# EAGLE board Mk4 Final a Panel score (EAGLE 9.0.1), part 10 of 24 (continued)
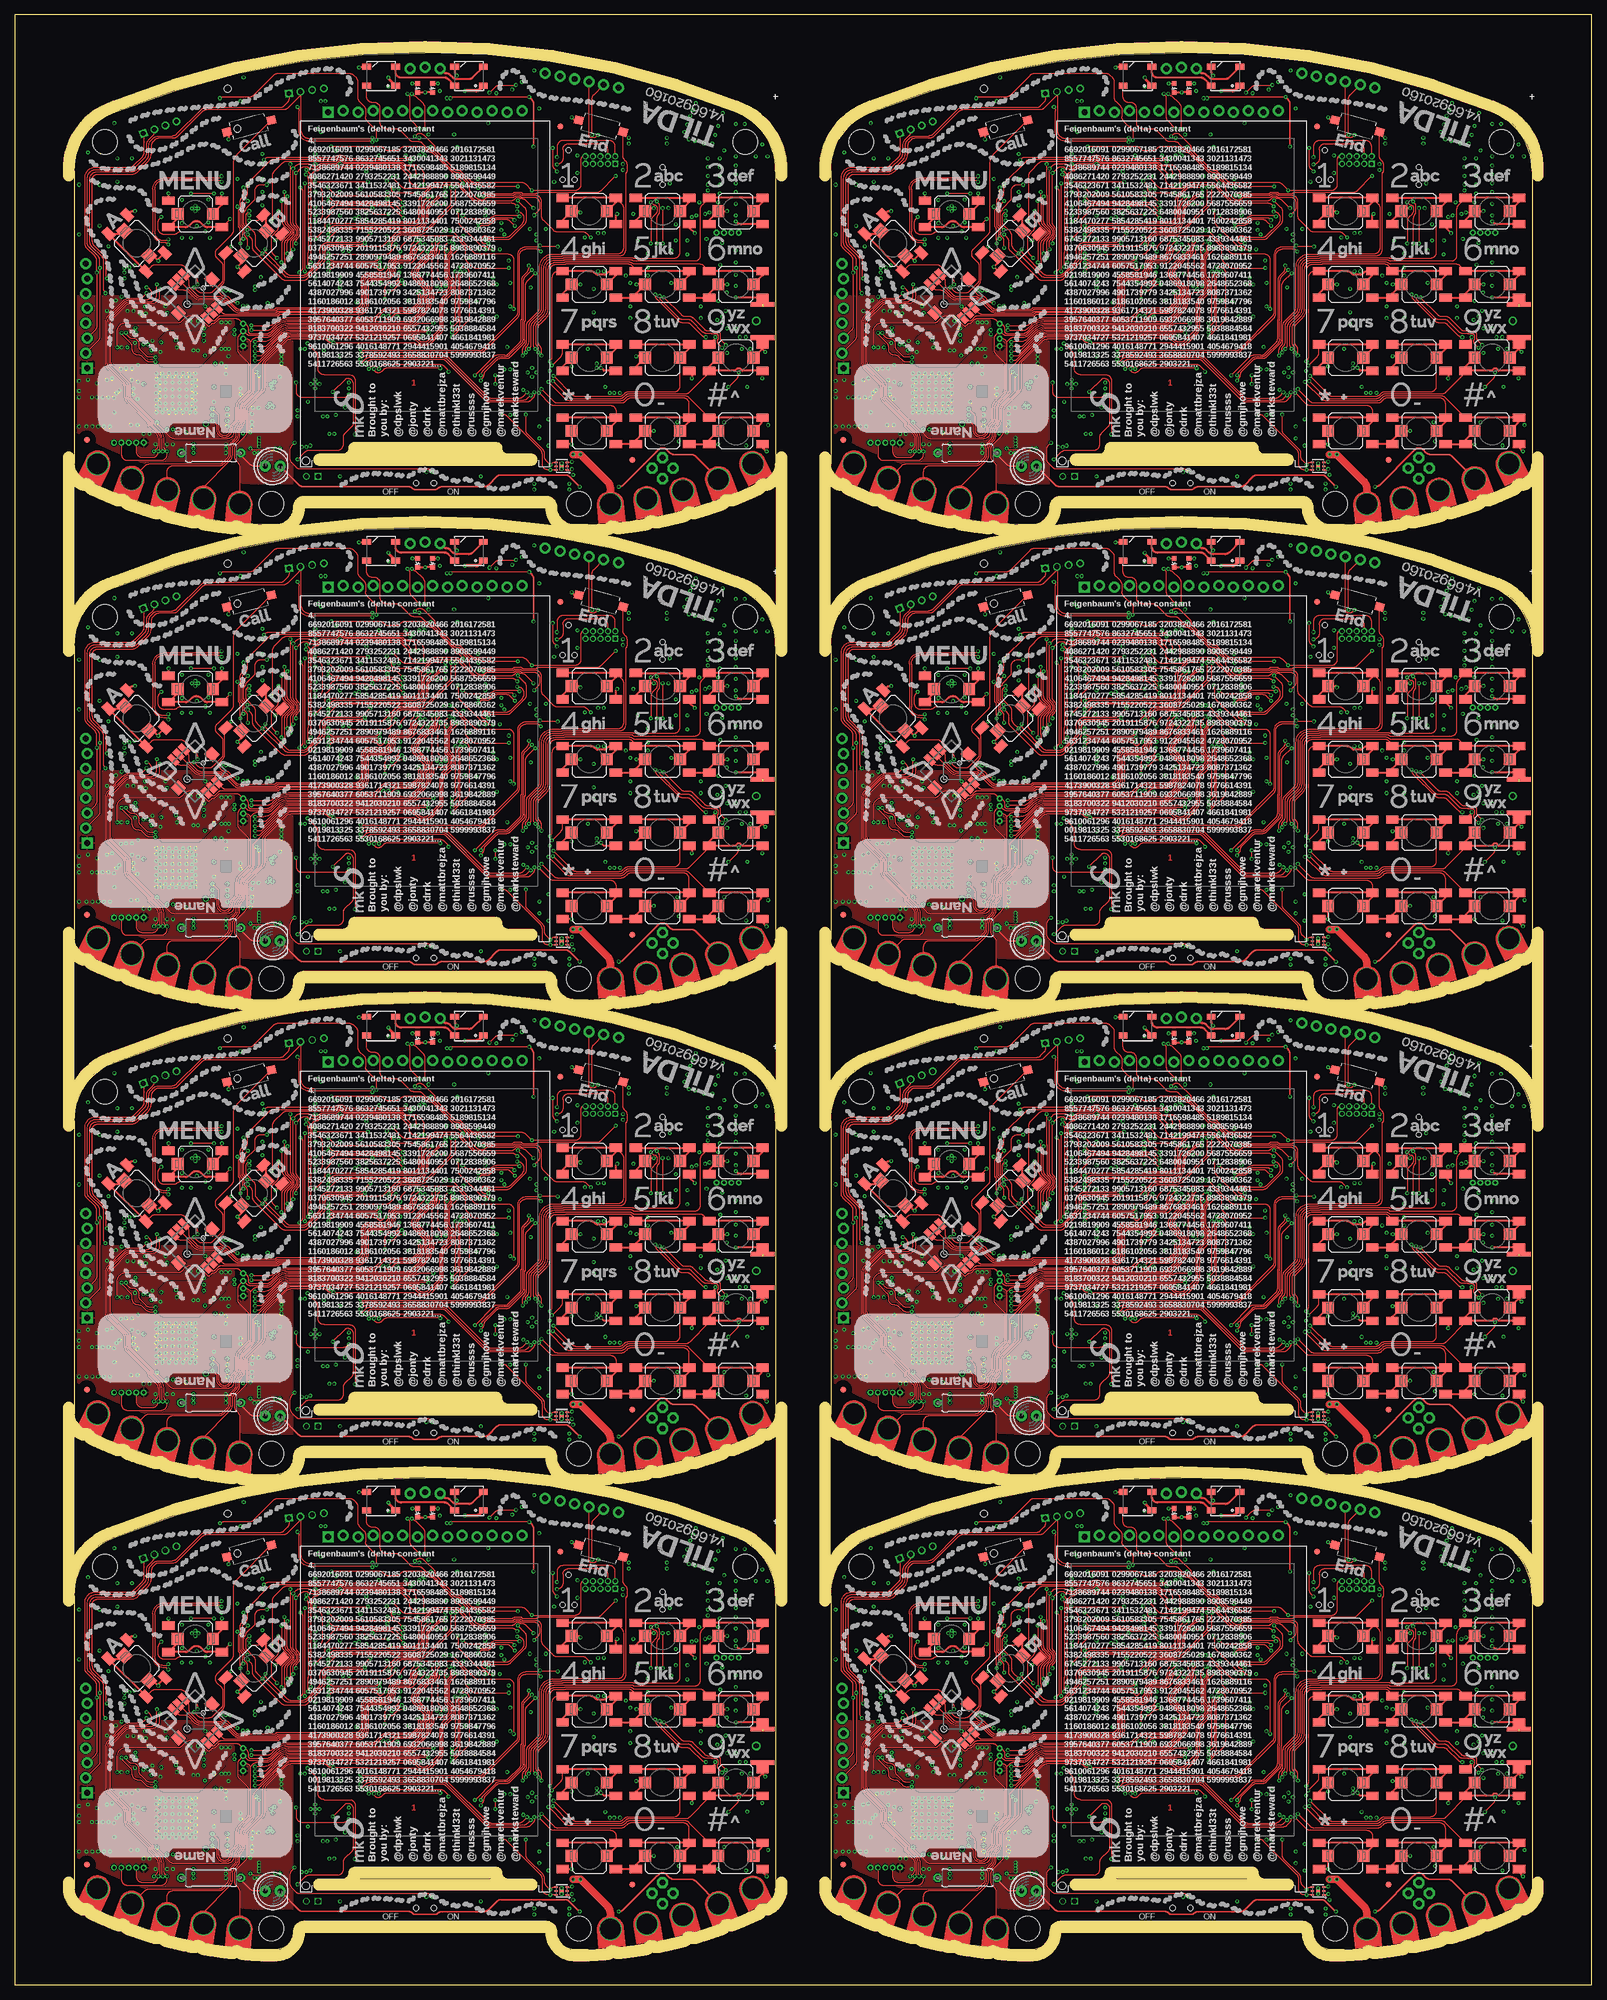
[diagram p0: board, top side]
## Tracks (layer width: path | path; a pad name or v marks a point on that pad's centre or on a via) (continued)
  Bottom 0.25: v225.35,174.5 v232,174.5
  Bottom 0.4: Q22.3 245.93,179.3 arc45 246.22,178.59 247.91,176.91
  Bottom 0.5: 247.91,176.91 PCB5.FET
FET_OUT6  (via drill 0.3)
  Top 0.25: LED41.K 48.45,255.82 arc45 49.16,255.53 67.11,255.53 arc-45 67.81,255.23 arc45 68.37,255 71.66,255 arc45 72.16,255.21 arc-45 72.87,255.5 80.09,255.5 arc45 80.79,255.79 82.21,257.21 arc-45 82.91,257.5 93.94,257.5 arc-45 94.64,257.21 v96.35,255.5 | v103,255.5 103.09,255.5 arc45 103.79,255.79 109.5,261.5 109.71,261.71 109.79,261.79 arc-90 111.21,261.79 111.71,261.29 arc45 112.41,261 115.4,261 arc-45 116.11,260.71 PCB6.FET
  Bottom 0.25: v96.35,255.5 v103,255.5
  Bottom 0.4: Q26.3 116.92,260.3 arc45 117.22,259.6 118.91,257.91
  Bottom 0.5: 118.91,257.91 PCB6.FET
FET_OUT7  (via drill 0.3)
  Top 0.25: LED47.K 177.45,255.82 arc45 178.16,255.53 196.11,255.53 arc-45 196.81,255.23 arc45 197.37,255 200.66,255 arc45 201.16,255.21 arc-45 201.87,255.5 209.09,255.5 arc45 209.79,255.79 211.21,257.21 arc-45 211.91,257.5 222.94,257.5 arc-45 223.64,257.21 v225.35,255.5 | v232,255.5 232.09,255.5 arc45 232.79,255.79 238.5,261.5 238.71,261.71 238.79,261.79 arc-90 240.21,261.79 240.71,261.29 arc45 241.41,261 244.4,261 arc-45 245.11,260.71 PCB7.FET
  Bottom 0.25: v225.35,255.5 v232,255.5
  Bottom 0.4: Q30.3 245.93,260.3 arc45 246.22,259.6 247.91,257.91
  Bottom 0.5: 247.91,257.91 PCB7.FET
FLASH_!CS  (via drill 0.3)
  Top 0.15: v23.75,18.5 24.23,18.98 arc45 24.52,19.69 24.52,20.73 arc45 24.23,21.44 22.9,22.77 arc-45 22.83,22.95 22.83,23.22 arc45 22.75,23.4 19.31,26.84 arc-45 18.8,28.07 18.8,29.29 arc45 18.51,29.99 16.01,32.49 arc-45 15.5,33.73 15.5,40.48 arc-45 16.01,41.71 18.46,44.16 arc-45 19.7,44.67 21.26,44.67 arc45 21.97,44.97 v22.5,45.5
  Bottom 0.15: JP1.3 19.48,18.5 arc90 20.48,17.5 22.34,17.5 arc45 23.04,17.79 v23.75,18.5 24.28,19.03 arc45 24.58,19.74 24.58,22.94 arc-45 24.63,23.08 24.72,23.16 arc45 24.77,23.3 24.77,23.66 24.75,23.68 IC15.14
  Bottom 0.2: R67.1 20.5,44.22 IC14.1 21.34,44.34 v22.5,45.5
FLASH_!CS1  (via drill 0.3)
  Top 0.15: v152.75,18.5 153.23,18.98 arc45 153.53,19.69 153.53,20.73 arc45 153.23,21.44 151.9,22.77 arc-45 151.82,22.95 151.82,23.22 arc45 151.75,23.4 148.31,26.84 arc-45 147.8,28.07 147.8,29.29 arc45 147.51,29.99 145.01,32.49 arc-45 144.5,33.73 144.5,40.48 arc-45 145.01,41.71 147.46,44.16 arc-45 148.7,44.67 150.26,44.67 arc45 150.97,44.97 v151.5,45.5
  Bottom 0.15: JP15.3 148.48,18.5 arc90 149.48,17.5 151.34,17.5 arc45 152.04,17.79 v152.75,18.5 153.28,19.03 arc45 153.57,19.74 153.57,22.94 arc-45 153.63,23.08 153.72,23.16 arc45 153.78,23.3 153.78,23.66 153.75,23.68 IC29.14
  Bottom 0.2: R145.1 149.5,44.22 IC30.1 150.34,44.34 v151.5,45.5
FLASH_!CS2  (via drill 0.3)
  Top 0.15: v23.75,99.5 24.23,99.98 arc45 24.52,100.69 24.52,101.73 arc45 24.23,102.44 22.9,103.78 arc-45 22.83,103.95 22.83,104.22 arc45 22.75,104.4 19.31,107.84 arc-45 18.8,109.08 18.8,110.29 arc45 18.51,110.99 16.01,113.49 arc-45 15.5,114.73 15.5,121.47 arc-45 16.01,122.71 18.46,125.16 arc-45 19.7,125.67 21.26,125.67 arc45 21.97,125.97 v22.5,126.5
  Bottom 0.15: JP24.3 19.48,99.5 arc90 20.48,98.5 22.34,98.5 arc45 23.04,98.79 v23.75,99.5 24.28,100.03 arc45 24.58,100.74 24.58,103.94 arc-45 24.63,104.08 24.72,104.16 arc45 24.77,104.3 24.77,104.66 24.75,104.68 IC47.14
  Bottom 0.2: R223.1 20.5,125.22 IC48.1 21.34,125.34 v22.5,126.5
FLASH_!CS3  (via drill 0.3)
  Top 0.15: v152.75,99.5 153.23,99.98 arc45 153.53,100.69 153.53,101.73 arc45 153.23,102.44 151.9,103.78 arc-45 151.82,103.95 151.82,104.22 arc45 151.75,104.4 148.31,107.84 arc-45 147.8,109.08 147.8,110.29 arc45 147.51,110.99 145.01,113.49 arc-45 144.5,114.73 144.5,121.47 arc-45 145.01,122.71 147.46,125.16 arc-45 148.7,125.67 150.26,125.67 arc45 150.97,125.97 v151.5,126.5
  Bottom 0.15: JP33.3 148.48,99.5 arc90 149.48,98.5 151.34,98.5 arc45 152.04,98.79 v152.75,99.5 153.28,100.03 arc45 153.57,100.74 153.57,103.94 arc-45 153.63,104.08 153.72,104.16 arc45 153.78,104.3 153.78,104.66 153.75,104.68 IC65.14
  Bottom 0.2: R301.1 149.5,125.22 IC66.1 150.34,125.34 v151.5,126.5
FLASH_!CS4  (via drill 0.3)
  Top 0.15: v23.75,180.5 24.23,180.98 arc45 24.52,181.69 24.52,182.73 arc45 24.23,183.44 22.9,184.78 arc-45 22.83,184.95 22.83,185.22 arc45 22.75,185.4 19.31,188.84 arc-45 18.8,190.07 18.8,191.29 arc45 18.51,191.99 16.01,194.49 arc-45 15.5,195.73 15.5,202.47 arc-45 16.01,203.71 18.46,206.16 arc-45 19.7,206.68 21.26,206.68 arc45 21.97,206.97 v22.5,207.5
  Bottom 0.15: JP42.3 19.48,180.5 arc90 20.48,179.5 22.34,179.5 arc45 23.04,179.79 v23.75,180.5 24.28,181.03 arc45 24.58,181.74 24.58,184.94 arc-45 24.63,185.08 24.72,185.16 arc45 24.77,185.3 24.77,185.66 24.75,185.68 IC83.14
  Bottom 0.2: R379.1 20.5,206.22 IC84.1 21.34,206.34 v22.5,207.5
FLASH_!CS5  (via drill 0.3)
  Top 0.15: v152.75,180.5 153.23,180.98 arc45 153.53,181.69 153.53,182.73 arc45 153.23,183.44 151.9,184.78 arc-45 151.82,184.95 151.82,185.22 arc45 151.75,185.4 148.31,188.84 arc-45 147.8,190.07 147.8,191.29 arc45 147.51,191.99 145.01,194.49 arc-45 144.5,195.73 144.5,202.47 arc-45 145.01,203.71 147.46,206.16 arc-45 148.7,206.68 150.26,206.68 arc45 150.97,206.97 v151.5,207.5
  Bottom 0.15: JP51.3 148.48,180.5 arc90 149.48,179.5 151.34,179.5 arc45 152.04,179.79 v152.75,180.5 153.28,181.03 arc45 153.57,181.74 153.57,184.94 arc-45 153.63,185.08 153.72,185.16 arc45 153.78,185.3 153.78,185.66 153.75,185.68 IC101.14
  Bottom 0.2: R457.1 149.5,206.22 IC102.1 150.34,206.34 v151.5,207.5
FLASH_!CS6  (via drill 0.3)
  Top 0.15: v23.75,261.5 24.23,261.98 arc45 24.52,262.69 24.52,263.73 arc45 24.23,264.44 22.9,265.77 arc-45 22.83,265.95 22.83,266.22 arc45 22.75,266.4 19.31,269.84 arc-45 18.8,271.07 18.8,272.29 arc45 18.51,272.99 16.01,275.49 arc-45 15.5,276.73 15.5,283.48 arc-45 16.01,284.71 18.46,287.16 arc-45 19.7,287.68 21.26,287.68 arc45 21.97,287.97 v22.5,288.5
  Bottom 0.15: JP60.3 19.48,261.5 arc90 20.48,260.5 22.34,260.5 arc45 23.04,260.79 v23.75,261.5 24.28,262.03 arc45 24.58,262.74 24.58,265.94 arc-45 24.63,266.08 24.72,266.16 arc45 24.77,266.3 24.77,266.66 24.75,266.68 IC119.14
  Bottom 0.2: R535.1 20.5,287.22 IC120.1 21.34,287.35 v22.5,288.5
FLASH_!CS7  (via drill 0.3)
  Top 0.15: v152.75,261.5 153.23,261.98 arc45 153.53,262.69 153.53,263.73 arc45 153.23,264.44 151.9,265.77 arc-45 151.82,265.95 151.82,266.22 arc45 151.75,266.4 148.31,269.84 arc-45 147.8,271.07 147.8,272.29 arc45 147.51,272.99 145.01,275.49 arc-45 144.5,276.73 144.5,283.48 arc-45 145.01,284.71 147.46,287.16 arc-45 148.7,287.68 150.26,287.68 arc45 150.97,287.97 v151.5,288.5
  Bottom 0.15: JP69.3 148.48,261.5 arc90 149.48,260.5 151.34,260.5 arc45 152.04,260.79 v152.75,261.5 153.28,262.03 arc45 153.57,262.74 153.57,265.94 arc-45 153.63,266.08 153.72,266.16 arc45 153.78,266.3 153.78,266.66 153.75,266.68 IC137.14
  Bottom 0.2: R613.1 149.5,287.22 IC138.1 150.34,287.35 v151.5,288.5
FLASH_!HOLD
  Bottom 0.2: R9.2 79.31,49.75 IC6.7
FLASH_!HOLD1
  Bottom 0.2: R93.2 208.31,49.75 IC22.7
FLASH_!HOLD2
  Bottom 0.2: R171.2 79.31,130.75 IC40.7
FLASH_!HOLD3
  Bottom 0.2: R249.2 208.31,130.75 IC58.7
FLASH_!HOLD4
  Bottom 0.2: R327.2 79.31,211.75 IC76.7
FLASH_!HOLD5
  Bottom 0.2: R405.2 208.31,211.75 IC94.7
FLASH_!HOLD6
  Bottom 0.2: R483.2 79.31,292.75 IC112.7
FLASH_!HOLD7
  Bottom 0.2: R561.2 208.31,292.75 IC130.7
FLASH_!WP
  Bottom 0.2: IC6.3 87.73,48.52 R10.2
FLASH_!WP1
  Bottom 0.2: IC22.3 216.74,48.52 R94.2
FLASH_!WP2
  Bottom 0.2: IC40.3 87.73,129.51 R172.2
FLASH_!WP3
  Bottom 0.2: IC58.3 216.74,129.51 R250.2
FLASH_!WP4
  Bottom 0.2: IC76.3 87.73,210.51 R328.2
FLASH_!WP5
  Bottom 0.2: IC94.3 216.74,210.51 R406.2
FLASH_!WP6
  Bottom 0.2: IC112.3 87.73,291.51 R484.2
FLASH_!WP7
  Bottom 0.2: IC130.3 216.74,291.51 R562.2
FLASH_CLK  (via drill 0.3)
  Top 0.15: v24.75,46.25 24.75,45.02 arc-90 23.5,43.77 19.76,43.77 arc45 19.05,43.48 16.69,41.12 arc45 16.4,40.41 16.4,33.81 arc45 16.69,33.11 19.49,30.31 arc-45 19.7,29.8 19.7,28.14 arc45 19.99,27.43 23.65,23.77 arc-45 23.73,23.59 23.73,23.32 arc45 23.8,23.15 24.96,21.98 arc-45 25.48,20.75 25.48,19.44 arc45 25.77,18.73 v26,18.5 26,18 arc-90 25,17 19.21,17 arc-90 18.21,18 JP1.4
  Bottom 0.15: IC15.11 26.25,23.84 arc-45 25.96,23.13 25.77,22.94 arc45 25.48,22.23 25.48,19.44 arc45 25.77,18.73 v26,18.5
  Bottom 0.2: IC14.6 25.8,46.88 arc45 25.09,46.59 v24.75,46.25
FLASH_CLK1  (via drill 0.3)
  Top 0.15: v153.75,46.25 153.75,45.02 arc-90 152.5,43.77 148.76,43.77 arc45 148.06,43.48 145.69,41.12 arc45 145.4,40.41 145.4,33.81 arc45 145.69,33.11 148.49,30.31 arc-45 148.7,29.8 148.7,28.14 arc45 148.99,27.43 152.65,23.77 arc-45 152.72,23.59 152.72,23.32 arc45 152.8,23.15 153.96,21.98 arc-45 154.47,20.75 154.47,19.44 arc45 154.77,18.73 v155,18.5 155,18 arc-90 154,17 148.21,17 arc-90 147.21,18 JP15.4
  Bottom 0.15: IC29.11 155.25,23.84 arc-45 154.96,23.13 154.77,22.94 arc45 154.47,22.23 154.47,19.44 arc45 154.77,18.73 v155,18.5
  Bottom 0.2: IC30.6 154.8,46.88 arc45 154.09,46.59 v153.75,46.25
FLASH_CLK2  (via drill 0.3)
  Top 0.15: v24.75,127.25 24.75,126.03 arc-90 23.5,124.78 19.76,124.78 arc45 19.05,124.48 16.69,122.12 arc45 16.4,121.41 16.4,114.81 arc45 16.69,114.11 19.49,111.31 arc-45 19.7,110.8 19.7,109.14 arc45 19.99,108.43 23.65,104.77 arc-45 23.73,104.59 23.73,104.33 arc45 23.8,104.15 24.96,102.98 arc-45 25.48,101.75 25.48,100.44 arc45 25.77,99.73 v26,99.5 26,99 arc-90 25,98 19.21,98 arc-90 18.21,99 JP24.4
  Bottom 0.15: IC47.11 26.25,104.84 arc-45 25.96,104.13 25.77,103.94 arc45 25.48,103.23 25.48,100.44 arc45 25.77,99.73 v26,99.5
  Bottom 0.2: IC48.6 25.8,127.89 arc45 25.09,127.59 v24.75,127.25
FLASH_CLK3  (via drill 0.3)
  Top 0.15: v153.75,127.25 153.75,126.03 arc-90 152.5,124.78 148.76,124.78 arc45 148.06,124.48 145.69,122.12 arc45 145.4,121.41 145.4,114.81 arc45 145.69,114.11 148.49,111.31 arc-45 148.7,110.8 148.7,109.14 arc45 148.99,108.43 152.65,104.77 arc-45 152.72,104.59 152.72,104.33 arc45 152.8,104.15 153.96,102.98 arc-45 154.47,101.75 154.47,100.44 arc45 154.77,99.73 v155,99.5 155,99 arc-90 154,98 148.21,98 arc-90 147.21,99 JP33.4
  Bottom 0.15: IC65.11 155.25,104.84 arc-45 154.96,104.13 154.77,103.94 arc45 154.47,103.23 154.47,100.44 arc45 154.77,99.73 v155,99.5
  Bottom 0.2: IC66.6 154.8,127.89 arc45 154.09,127.59 v153.75,127.25
FLASH_CLK4  (via drill 0.3)
  Top 0.15: v24.75,208.25 24.75,207.03 arc-90 23.5,205.78 19.76,205.78 arc45 19.05,205.48 16.69,203.12 arc45 16.4,202.41 16.4,195.81 arc45 16.69,195.11 19.49,192.31 arc-45 19.7,191.8 19.7,190.14 arc45 19.99,189.43 23.65,185.77 arc-45 23.73,185.59 23.73,185.32 arc45 23.8,185.15 24.96,183.98 arc-45 25.48,182.75 25.48,181.44 arc45 25.77,180.73 v26,180.5 26,180 arc-90 25,179 19.21,179 arc-90 18.21,180 JP42.4
  Bottom 0.15: IC83.11 26.25,185.84 arc-45 25.96,185.13 25.77,184.94 arc45 25.48,184.23 25.48,181.44 arc45 25.77,180.73 v26,180.5
  Bottom 0.2: IC84.6 25.8,208.88 arc45 25.09,208.59 v24.75,208.25
FLASH_CLK5  (via drill 0.3)
  Top 0.15: v153.75,208.25 153.75,207.03 arc-90 152.5,205.78 148.76,205.78 arc45 148.06,205.48 145.69,203.12 arc45 145.4,202.41 145.4,195.81 arc45 145.69,195.11 148.49,192.31 arc-45 148.7,191.8 148.7,190.14 arc45 148.99,189.43 152.65,185.77 arc-45 152.72,185.59 152.72,185.32 arc45 152.8,185.15 153.96,183.98 arc-45 154.47,182.75 154.47,181.44 arc45 154.77,180.73 v155,180.5 155,180 arc-90 154,179 148.21,179 arc-90 147.21,180 JP51.4
  Bottom 0.15: IC101.11 155.25,185.84 arc-45 154.96,185.13 154.77,184.94 arc45 154.47,184.23 154.47,181.44 arc45 154.77,180.73 v155,180.5
  Bottom 0.2: IC102.6 154.8,208.88 arc45 154.09,208.59 v153.75,208.25
FLASH_CLK6  (via drill 0.3)
  Top 0.15: v24.75,289.25 24.75,288.02 arc-90 23.5,286.77 19.76,286.77 arc45 19.05,286.48 16.69,284.12 arc45 16.4,283.41 16.4,276.81 arc45 16.69,276.11 19.49,273.31 arc-45 19.7,272.8 19.7,271.14 arc45 19.99,270.43 23.65,266.77 arc-45 23.73,266.59 23.73,266.32 arc45 23.8,266.15 24.96,264.98 arc-45 25.48,263.75 25.48,262.44 arc45 25.77,261.73 v26,261.5 26,261 arc-90 25,260 19.21,260 arc-90 18.21,261 JP60.4
  Bottom 0.15: IC119.11 26.25,266.84 arc-45 25.96,266.13 25.77,265.94 arc45 25.48,265.23 25.48,262.44 arc45 25.77,261.73 v26,261.5
  Bottom 0.2: IC120.6 25.8,289.88 arc45 25.09,289.59 v24.75,289.25
FLASH_CLK7  (via drill 0.3)
  Top 0.15: v153.75,289.25 153.75,288.02 arc-90 152.5,286.77 148.76,286.77 arc45 148.06,286.48 145.69,284.12 arc45 145.4,283.41 145.4,276.81 arc45 145.69,276.11 148.49,273.31 arc-45 148.7,272.8 148.7,271.14 arc45 148.99,270.43 152.65,266.77 arc-45 152.72,266.59 152.72,266.32 arc45 152.8,266.15 153.96,264.98 arc-45 154.47,263.75 154.47,262.44 arc45 154.77,261.73 v155,261.5 155,261 arc-90 154,260 148.21,260 arc-90 147.21,261 JP69.4
  Bottom 0.15: IC137.11 155.25,266.84 arc-45 154.96,266.13 154.77,265.94 arc45 154.47,265.23 154.47,262.44 arc45 154.77,261.73 v155,261.5
  Bottom 0.2: IC138.6 154.8,289.88 arc45 154.09,289.59 v153.75,289.25
FLASH_MISO  (via drill 0.3)
  Top 0.15: v22.5,46.5 arc-45 22.84,46.36 23.11,46.09 arc-45 23.4,45.39 23.4,45.38 arc-90 22.4,44.38 19.72,44.38 arc45 18.66,43.94 16.24,41.52 arc45 15.8,40.45 15.8,33.75 arc45 16.24,32.69 18.73,30.19 arc-45 19.1,29.31 19.1,28.1 arc45 19.54,27.04 23.05,23.52 arc-45 23.12,23.35 23.12,23.08 arc45 23.2,22.9 24.46,21.64 arc-45 24.83,20.76 24.83,19.24 arc-45 24.53,18.53 v24.5,18.5 arc-90 23.5,17.5 21.75,17.5 arc-90 20.75,18.5 JP1.2
  Bottom 0.15: 24.5,18.6 v24.5,18.5 24.5,18.71 arc-45 24.58,18.91 arc45 24.88,19.62 24.88,22.48 arc-45 25.17,23.19 arc45 25.25,23.39 IC15.13
  Bottom 0.2: IC14.2 21.2,45.62 arc45 21.91,45.91 v22.5,46.5
FLASH_MISO1  (via drill 0.3)
  Top 0.15: v151.5,46.5 arc-45 151.84,46.36 152.11,46.09 arc-45 152.4,45.39 152.4,45.38 arc-90 151.4,44.38 148.72,44.38 arc45 147.66,43.94 145.24,41.52 arc45 144.8,40.45 144.8,33.75 arc45 145.24,32.69 147.73,30.19 arc-45 148.1,29.31 148.1,28.1 arc45 148.54,27.04 152.05,23.52 arc-45 152.12,23.35 152.12,23.08 arc45 152.2,22.9 153.46,21.64 arc-45 153.82,20.76 153.82,19.24 arc-45 153.53,18.53 v153.5,18.5 arc-90 152.5,17.5 150.75,17.5 arc-90 149.75,18.5 JP15.2
  Bottom 0.15: 153.5,18.6 v153.5,18.5 153.5,18.71 arc-45 153.58,18.91 arc45 153.88,19.62 153.88,22.48 arc-45 154.17,23.19 arc45 154.25,23.39 IC29.13
  Bottom 0.2: IC30.2 150.2,45.62 arc45 150.91,45.91 v151.5,46.5
FLASH_MISO2  (via drill 0.3)
  Top 0.15: v22.5,127.5 arc-45 22.84,127.36 23.11,127.09 arc-45 23.4,126.39 23.4,126.38 arc-90 22.4,125.38 19.72,125.38 arc45 18.66,124.94 16.24,122.52 arc45 15.8,121.45 15.8,114.75 arc45 16.24,113.69 18.73,111.19 arc-45 19.1,110.31 19.1,109.1 arc45 19.54,108.03 23.05,104.52 arc-45 23.12,104.35 23.12,104.08 arc45 23.2,103.9 24.46,102.64 arc-45 24.83,101.75 24.83,100.24 arc-45 24.53,99.53 v24.5,99.5 arc-90 23.5,98.5 21.75,98.5 arc-90 20.75,99.5 JP24.2
  Bottom 0.15: 24.5,99.6 v24.5,99.5 24.5,99.71 arc-45 24.58,99.91 arc45 24.88,100.61 24.88,103.48 arc-45 25.17,104.19 arc45 25.25,104.39 IC47.13
  Bottom 0.2: IC48.2 21.2,126.61 arc45 21.91,126.91 v22.5,127.5
FLASH_MISO3  (via drill 0.3)
  Top 0.15: v151.5,127.5 arc-45 151.84,127.36 152.11,127.09 arc-45 152.4,126.39 152.4,126.38 arc-90 151.4,125.38 148.72,125.38 arc45 147.66,124.94 145.24,122.52 arc45 144.8,121.45 144.8,114.75 arc45 145.24,113.69 147.73,111.19 arc-45 148.1,110.31 148.1,109.1 arc45 148.54,108.03 152.05,104.52 arc-45 152.12,104.35 152.12,104.08 arc45 152.2,103.9 153.46,102.64 arc-45 153.82,101.75 153.82,100.24 arc-45 153.53,99.53 v153.5,99.5 arc-90 152.5,98.5 150.75,98.5 arc-90 149.75,99.5 JP33.2
  Bottom 0.15: 153.5,99.6 v153.5,99.5 153.5,99.71 arc-45 153.58,99.91 arc45 153.88,100.61 153.88,103.48 arc-45 154.17,104.19 arc45 154.25,104.39 IC65.13
  Bottom 0.2: IC66.2 150.2,126.61 arc45 150.91,126.91 v151.5,127.5
FLASH_MISO4  (via drill 0.3)
  Top 0.15: v22.5,208.5 arc-45 22.84,208.36 23.11,208.09 arc-45 23.4,207.39 23.4,207.38 arc-90 22.4,206.38 19.72,206.38 arc45 18.66,205.94 16.24,203.51 arc45 15.8,202.45 15.8,195.75 arc45 16.24,194.69 18.73,192.19 arc-45 19.1,191.31 19.1,190.1 arc45 19.54,189.03 23.05,185.52 arc-45 23.12,185.35 23.12,185.08 arc45 23.2,184.9 24.46,183.64 arc-45 24.83,182.75 24.83,181.24 arc-45 24.53,180.53 v24.5,180.5 arc-90 23.5,179.5 21.75,179.5 arc-90 20.75,180.5 JP42.2
  Bottom 0.15: 24.5,180.6 v24.5,180.5 24.5,180.71 arc-45 24.58,180.91 arc45 24.88,181.62 24.88,184.48 arc-45 25.17,185.19 arc45 25.25,185.39 IC83.13
  Bottom 0.2: IC84.2 21.2,207.62 arc45 21.91,207.91 v22.5,208.5
FLASH_MISO5  (via drill 0.3)
  Top 0.15: v151.5,208.5 arc-45 151.84,208.36 152.11,208.09 arc-45 152.4,207.39 152.4,207.38 arc-90 151.4,206.38 148.72,206.38 arc45 147.66,205.94 145.24,203.51 arc45 144.8,202.45 144.8,195.75 arc45 145.24,194.69 147.73,192.19 arc-45 148.1,191.31 148.1,190.1 arc45 148.54,189.03 152.05,185.52 arc-45 152.12,185.35 152.12,185.08 arc45 152.2,184.9 153.46,183.64 arc-45 153.82,182.75 153.82,181.24 arc-45 153.53,180.53 v153.5,180.5 arc-90 152.5,179.5 150.75,179.5 arc-90 149.75,180.5 JP51.2
  Bottom 0.15: 153.5,180.6 v153.5,180.5 153.5,180.71 arc-45 153.58,180.91 arc45 153.88,181.62 153.88,184.48 arc-45 154.17,185.19 arc45 154.25,185.39 IC101.13
  Bottom 0.2: IC102.2 150.2,207.62 arc45 150.91,207.91 v151.5,208.5
FLASH_MISO6  (via drill 0.3)
  Top 0.15: v22.5,289.5 arc-45 22.84,289.36 23.11,289.09 arc-45 23.4,288.39 23.4,288.38 arc-90 22.4,287.38 19.72,287.38 arc45 18.66,286.94 16.24,284.51 arc45 15.8,283.45 15.8,276.75 arc45 16.24,275.69 18.73,273.19 arc-45 19.1,272.31 19.1,271.1 arc45 19.54,270.04 23.05,266.52 arc-45 23.12,266.35 23.12,266.08 arc45 23.2,265.9 24.46,264.64 arc-45 24.83,263.75 24.83,262.24 arc-45 24.53,261.53 v24.5,261.5 arc-90 23.5,260.5 21.75,260.5 arc-90 20.75,261.5 JP60.2
  Bottom 0.15: 24.5,261.6 v24.5,261.5 24.5,261.71 arc-45 24.58,261.91 arc45 24.88,262.62 24.88,265.48 arc-45 25.17,266.19 arc45 25.25,266.39 IC119.13
  Bottom 0.2: IC120.2 21.2,288.62 arc45 21.91,288.91 v22.5,289.5
FLASH_MISO7  (via drill 0.3)
  Top 0.15: v151.5,289.5 arc-45 151.84,289.36 152.11,289.09 arc-45 152.4,288.39 152.4,288.38 arc-90 151.4,287.38 148.72,287.38 arc45 147.66,286.94 145.24,284.51 arc45 144.8,283.45 144.8,276.75 arc45 145.24,275.69 147.73,273.19 arc-45 148.1,272.31 148.1,271.1 arc45 148.54,270.04 152.05,266.52 arc-45 152.12,266.35 152.12,266.08 arc45 152.2,265.9 153.46,264.64 arc-45 153.82,263.75 153.82,262.24 arc-45 153.53,261.53 v153.5,261.5 arc-90 152.5,260.5 150.75,260.5 arc-90 149.75,261.5 JP69.2
  Bottom 0.15: 153.5,261.6 v153.5,261.5 153.5,261.71 arc-45 153.58,261.91 arc45 153.88,262.62 153.88,265.48 arc-45 154.17,266.19 arc45 154.25,266.39 IC137.13
  Bottom 0.2: IC138.2 150.2,288.62 arc45 150.91,288.91 v151.5,289.5
FLASH_MOSI  (via drill 0.3)
  Top 0.15: v25.25,18.5 arc-45 25.12,18.8 25.12,20.78 arc45 24.69,21.84 23.5,23.02 arc-45 23.42,23.2 23.42,23.47 arc45 23.35,23.65 19.77,27.23 arc-45 19.4,28.12 19.4,29.33 arc45 18.96,30.39 16.47,32.88 arc-45 16.1,33.77 16.1,40.43 arc-45 16.47,41.32 18.86,43.71 arc-45 19.74,44.08 23.2,44.08 arc90 24.2,45.08 24.2,46.95 v24.25,47
  Bottom 0.15: 25.17,18.57 v25.25,18.5 | JP1.5 16.94,19.56 19.21,17.29 arc45 19.91,17 24.02,17 arc90 25.02,18 25.02,18.21 arc-45 25.17,18.57 | IC15.12 25.75,23.75 arc-45 25.47,23.07 arc45 25.17,22.36 25.17,18.57
  Bottom 0.2: IC14.5 25.82,48.16 arc45 25.11,47.86 v24.25,47
FLASH_MOSI1  (via drill 0.3)
  Top 0.15: v154.25,18.5 arc-45 154.12,18.8 154.12,20.78 arc45 153.69,21.84 152.5,23.02 arc-45 152.43,23.2 152.43,23.47 arc45 152.35,23.65 148.77,27.23 arc-45 148.4,28.12 148.4,29.33 arc45 147.96,30.39 145.47,32.88 arc-45 145.1,33.77 145.1,40.43 arc-45 145.47,41.32 147.86,43.71 arc-45 148.74,44.08 152.2,44.08 arc90 153.2,45.08 153.2,46.95 v153.25,47
  Bottom 0.15: 154.18,18.57 v154.25,18.5 | JP15.5 145.94,19.56 148.21,17.29 arc45 148.91,17 153.03,17 arc90 154.03,18 154.03,18.21 arc-45 154.18,18.57 | IC29.12 154.75,23.75 arc-45 154.47,23.07 arc45 154.18,22.36 154.18,18.57
  Bottom 0.2: IC30.5 154.82,48.16 arc45 154.11,47.86 v153.25,47
FLASH_MOSI2  (via drill 0.3)
  Top 0.15: v25.25,99.5 arc-45 25.12,99.8 25.12,101.78 arc45 24.69,102.84 23.5,104.02 arc-45 23.42,104.2 23.42,104.47 arc45 23.35,104.65 19.77,108.23 arc-45 19.4,109.12 19.4,110.33 arc45 18.96,111.39 16.47,113.88 arc-45 16.1,114.77 16.1,121.43 arc-45 16.47,122.32 18.86,124.71 arc-45 19.74,125.08 23.2,125.08 arc90 24.2,126.08 24.2,127.95 v24.25,128
  Bottom 0.15: 25.17,99.58 v25.25,99.5 | JP24.5 16.94,100.56 19.21,98.29 arc45 19.91,98 24.02,98 arc90 25.02,99 25.02,99.21 arc-45 25.17,99.58 | IC47.12 25.75,104.75 arc-45 25.47,104.07 arc45 25.17,103.36 25.17,99.58
  Bottom 0.2: IC48.5 25.82,129.16 arc45 25.11,128.86 v24.25,128
FLASH_MOSI3  (via drill 0.3)
  Top 0.15: v154.25,99.5 arc-45 154.12,99.8 154.12,101.78 arc45 153.69,102.84 152.5,104.02 arc-45 152.43,104.2 152.43,104.47 arc45 152.35,104.65 148.77,108.23 arc-45 148.4,109.12 148.4,110.33 arc45 147.96,111.39 145.47,113.88 arc-45 145.1,114.77 145.1,121.43 arc-45 145.47,122.32 147.86,124.71 arc-45 148.74,125.08 152.2,125.08 arc90 153.2,126.08 153.2,127.95 v153.25,128
  Bottom 0.15: 154.18,99.58 v154.25,99.5 | JP33.5 145.94,100.56 148.21,98.29 arc45 148.91,98 153.03,98 arc90 154.03,99 154.03,99.21 arc-45 154.18,99.58 | IC65.12 154.75,104.75 arc-45 154.47,104.07 arc45 154.18,103.36 154.18,99.58
  Bottom 0.2: IC66.5 154.82,129.16 arc45 154.11,128.86 v153.25,128
FLASH_MOSI4  (via drill 0.3)
  Top 0.15: v25.25,180.5 arc-45 25.12,180.8 25.12,182.78 arc45 24.69,183.84 23.5,185.02 arc-45 23.42,185.2 23.42,185.47 arc45 23.35,185.65 19.77,189.23 arc-45 19.4,190.12 19.4,191.33 arc45 18.96,192.39 16.47,194.88 arc-45 16.1,195.77 16.1,202.43 arc-45 16.47,203.32 18.86,205.71 arc-45 19.74,206.07 23.2,206.07 arc90 24.2,207.07 24.2,208.95 v24.25,209
  Bottom 0.15: 25.17,180.57 v25.25,180.5 | JP42.5 16.94,181.56 19.21,179.29 arc45 19.91,179 24.02,179 arc90 25.02,180 25.02,180.21 arc-45 25.17,180.57 | IC83.12 25.75,185.75 arc-45 25.47,185.06 arc45 25.17,184.36 25.17,180.57
  Bottom 0.2: IC84.5 25.82,210.16 arc45 25.11,209.86 v24.25,209
FLASH_MOSI5  (via drill 0.3)
  Top 0.15: v154.25,180.5 arc-45 154.12,180.8 154.12,182.78 arc45 153.69,183.84 152.5,185.02 arc-45 152.43,185.2 152.43,185.47 arc45 152.35,185.65 148.77,189.23 arc-45 148.4,190.12 148.4,191.33 arc45 147.96,192.39 145.47,194.88 arc-45 145.1,195.77 145.1,202.43 arc-45 145.47,203.32 147.86,205.71 arc-45 148.74,206.07 152.2,206.07 arc90 153.2,207.07 153.2,208.95 v153.25,209
  Bottom 0.15: 154.18,180.57 v154.25,180.5 | JP51.5 145.94,181.56 148.21,179.29 arc45 148.91,179 153.03,179 arc90 154.03,180 154.03,180.21 arc-45 154.18,180.57 | IC101.12 154.75,185.75 arc-45 154.47,185.06 arc45 154.18,184.36 154.18,180.57
  Bottom 0.2: IC102.5 154.82,210.16 arc45 154.11,209.86 v153.25,209
FLASH_MOSI6  (via drill 0.3)
  Top 0.15: v25.25,261.5 arc-45 25.12,261.8 25.12,263.78 arc45 24.69,264.84 23.5,266.02 arc-45 23.42,266.2 23.42,266.47 arc45 23.35,266.65 19.77,270.23 arc-45 19.4,271.12 19.4,272.33 arc45 18.96,273.39 16.47,275.88 arc-45 16.1,276.77 16.1,283.43 arc-45 16.47,284.32 18.86,286.71 arc-45 19.74,287.07 23.2,287.07 arc90 24.2,288.07 24.2,289.95 v24.25,290
  Bottom 0.15: 25.17,261.57 v25.25,261.5 | JP60.5 16.94,262.56 19.21,260.29 arc45 19.91,260 24.02,260 arc90 25.02,261 25.02,261.21 arc-45 25.17,261.57 | IC119.12 25.75,266.75 arc-45 25.47,266.06 arc45 25.17,265.36 25.17,261.57
  Bottom 0.2: IC120.5 25.82,291.15 arc45 25.11,290.86 v24.25,290
FLASH_MOSI7  (via drill 0.3)
  Top 0.15: v154.25,261.5 arc-45 154.12,261.8 154.12,263.78 arc45 153.69,264.84 152.5,266.02 arc-45 152.43,266.2 152.43,266.47 arc45 152.35,266.65 148.77,270.23 arc-45 148.4,271.12 148.4,272.33 arc45 147.96,273.39 145.47,275.88 arc-45 145.1,276.77 145.1,283.43 arc-45 145.47,284.32 147.86,286.71 arc-45 148.74,287.07 152.2,287.07 arc90 153.2,288.07 153.2,289.95 v153.25,290
  Bottom 0.15: 154.18,261.57 v154.25,261.5 | JP69.5 145.94,262.56 148.21,260.29 arc45 148.91,260 153.03,260 arc90 154.03,261 154.03,261.21 arc-45 154.18,261.57 | IC137.12 154.75,266.75 arc-45 154.47,266.06 arc45 154.18,265.36 154.18,261.57
  Bottom 0.2: IC138.5 154.82,291.15 arc45 154.11,290.86 v153.25,290
FLASH_PU
  Bottom 0.15: IC14.3 22,46.88 arc45 22.14,46.94 22.17,46.97 arc-45 22.31,47.02 22.51,47.02 arc-45 22.86,46.88 23.84,45.91 arc45 24.54,45.62 IC14.7
  Bottom 0.2: IC14.3 18.63,46.88 R66.2
FLASH_PU1
  Bottom 0.15: IC30.3 151,46.88 arc45 151.14,46.94 151.17,46.97 arc-45 151.31,47.02 151.51,47.02 arc-45 151.86,46.88 152.83,45.91 arc45 153.54,45.62 IC30.7
  Bottom 0.2: IC30.3 147.63,46.88 R144.2
FLASH_PU2
  Bottom 0.15: IC48.3 22,127.89 arc45 22.14,127.94 22.17,127.97 arc-45 22.31,128.03 22.51,128.03 arc-45 22.86,127.88 23.84,126.91 arc45 24.54,126.61 IC48.7
  Bottom 0.2: IC48.3 18.63,127.89 R222.2
FLASH_PU3
  Bottom 0.15: IC66.3 151,127.89 arc45 151.14,127.94 151.17,127.97 arc-45 151.31,128.03 151.51,128.03 arc-45 151.86,127.88 152.83,126.91 arc45 153.54,126.61 IC66.7
  Bottom 0.2: IC66.3 147.63,127.89 R300.2
FLASH_PU4
  Bottom 0.15: IC84.3 22,208.88 arc45 22.14,208.94 22.17,208.97 arc-45 22.31,209.03 22.51,209.03 arc-45 22.86,208.88 23.84,207.91 arc45 24.54,207.62 IC84.7
  Bottom 0.2: IC84.3 18.63,208.88 R378.2
FLASH_PU5